# KiCad board vme-wren.kicad_pcb (continued)
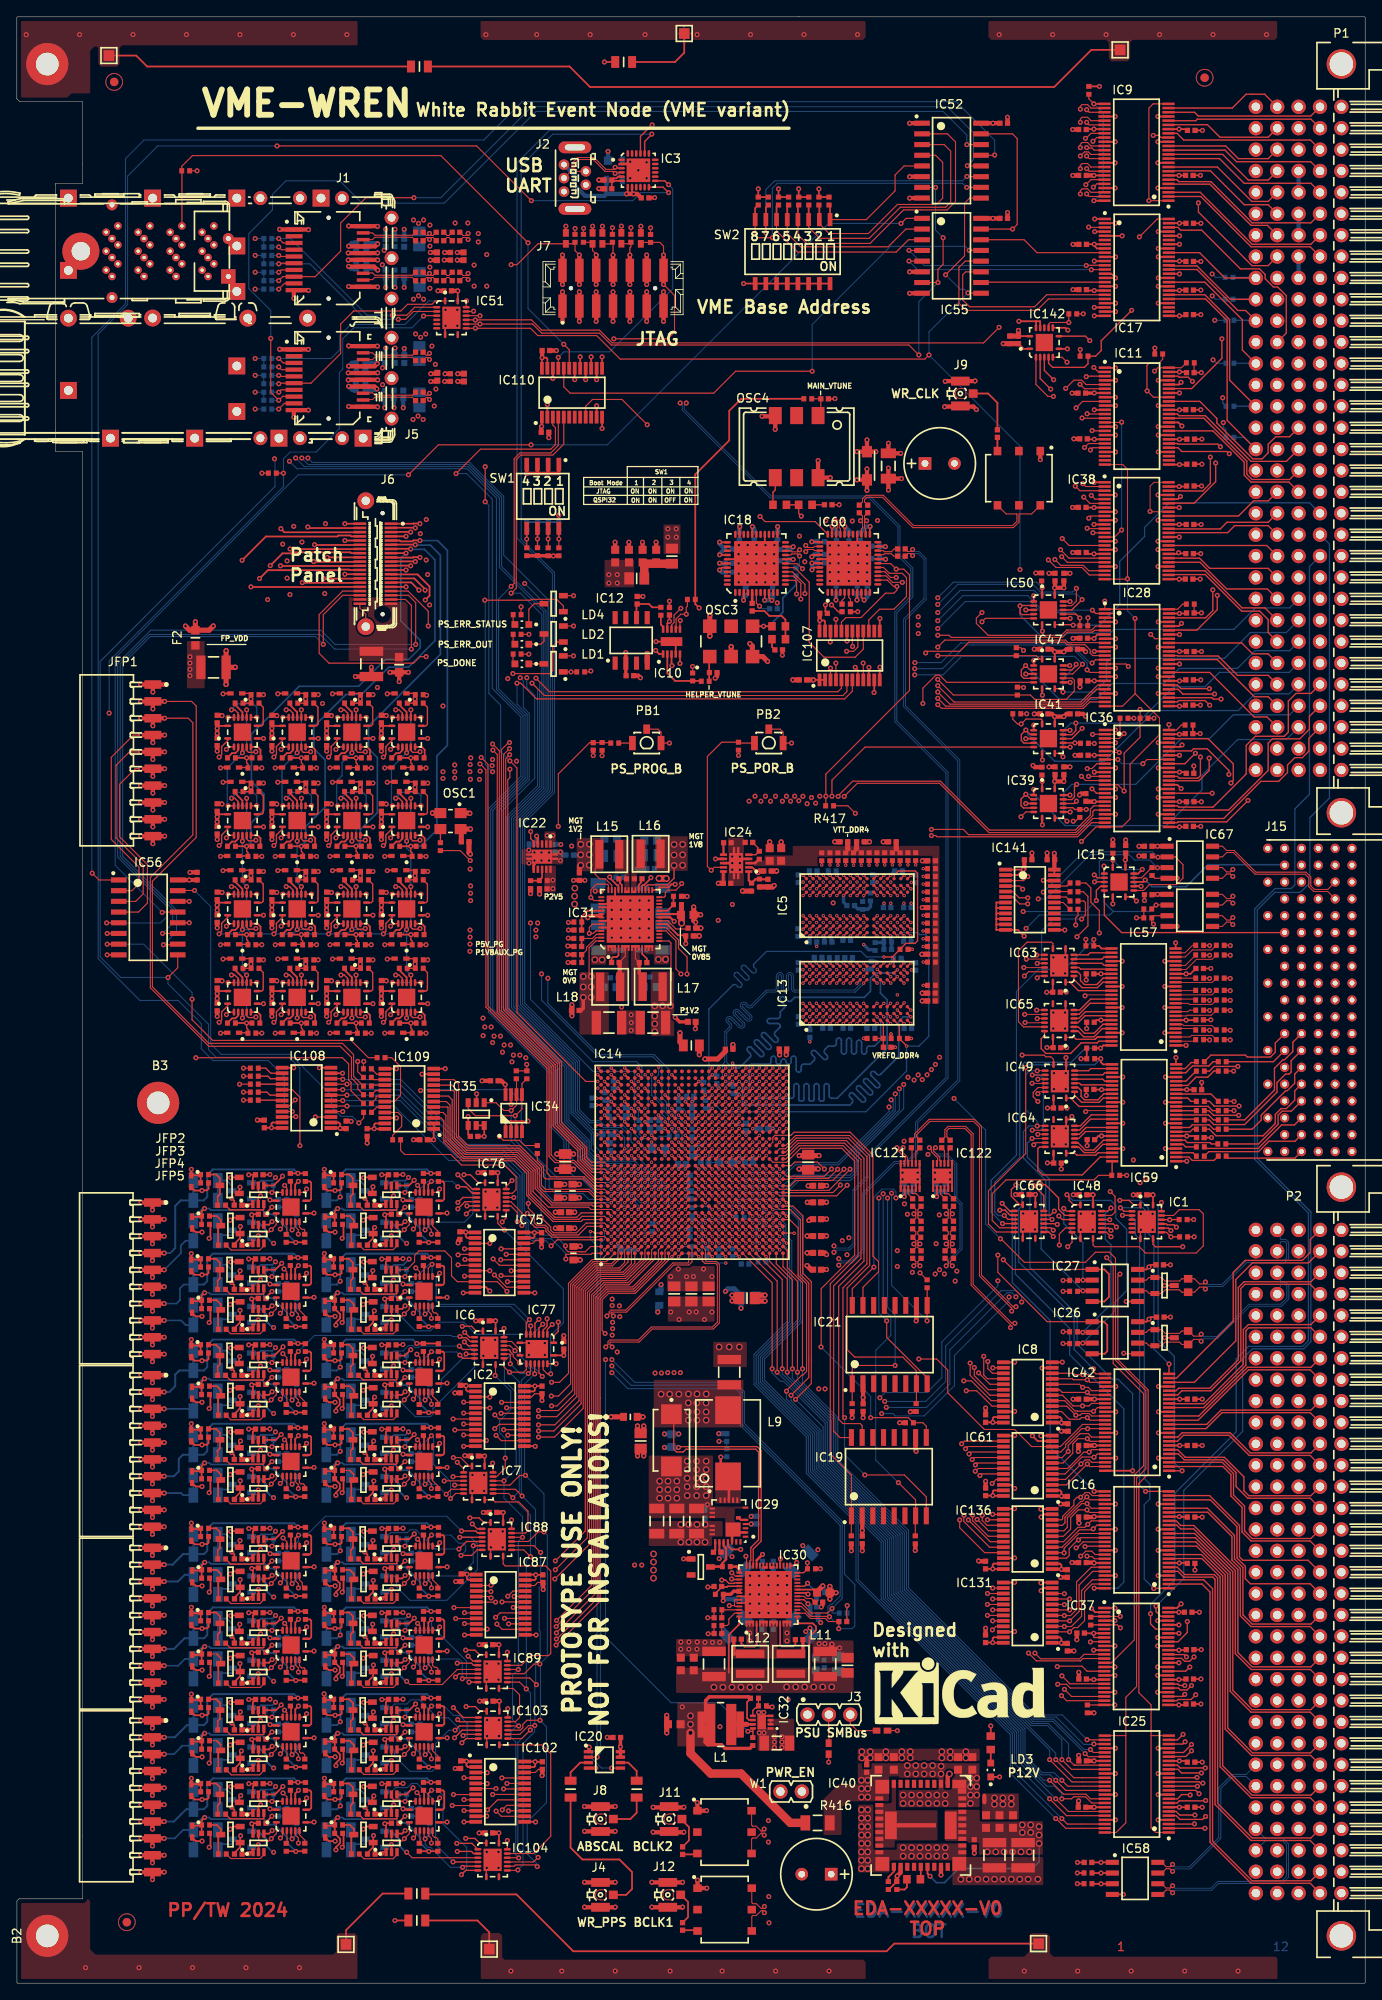
[diagram p0: board, top side]
## Routing (per net, layer and track width the routed paths; a pad name or vN(x,y) marks a point on that pad's centre or on a via; arc(x,y) is an arc through that point) (continued)
/DDR4-PS.DQ28: length 32.7
  Top Layer w0.15: IC14.AG28 90.58,108.66 ; v1(94.98,125.14) IC5.C2
  L5 w0.11: v1(90.59,108.66) 90.6,108.67 90.6,109.3 90.09,109.81 90.09,110.75 90.6,111.26 90.6,111.98 arc(90.54,112.12) 90.39,112.19 90.25,112.19 arc(90.1,112.25) 90.04,112.4 arc(90.1,112.54) 90.25,112.61 91.35,112.61 arc(91.5,112.67) 91.56,112.82 arc(91.5,112.96) 91.35,113.03 90.25,113.03 arc(90.1,113.09) 90.04,113.24 arc(90.1,113.38) 90.25,113.45 91.05,113.45 arc(91.2,113.51) 91.26,113.66 arc(91.2,113.8) 91.05,113.87 90.25,113.87 arc(90.1,113.93) 90.04,114.08 arc(90.1,114.22) 90.25,114.29 91.05,114.29 arc(91.2,114.35) 91.26,114.5 arc(91.2,114.64) 91.05,114.71 90.25,114.71 arc(90.1,114.77) 90.04,114.92 arc(90.1,115.06) 90.25,115.13 91.05,115.13 arc(91.2,115.19) 91.26,115.34 arc(91.2,115.48) 91.05,115.55 90.25,115.55 arc(90.1,115.61) 90.04,115.76 arc(90.1,115.9) 90.25,115.97 91.05,115.97 arc(91.2,116.03) 91.26,116.18 arc(91.2,116.32) 91.05,116.39 90.25,116.39 arc(90.1,116.45) 90.04,116.6 arc(90.1,116.74) 90.25,116.81 90.39,116.81 arc(90.54,116.87) 90.6,117.02 90.6,122.68 92.66,124.74 94.58,124.74 v1(94.98,125.14)
/DDR4-PS.DQ29: length 32.7
  Top Layer w0.15: IC14.AF28 89.78,108.66 ; v1(94.98,129.94) IC5.C8
  L5 w0.11: v1(94.98,129.94) 95.36,129.56 95.36,126.6 95.1,126.34 94.87,126.34 94.62,126.09 94.62,125.73 94.43,125.55 92.36,125.55 92.2,125.38 arc(92.05,125.32) 91.9,125.38 91.77,125.51 arc(91.63,125.57) 91.48,125.51 arc(91.42,125.36) 91.48,125.21 91.99,124.7 arc(92.05,124.55) 91.99,124.4 arc(91.84,124.34) 91.7,124.4 91.18,124.91 arc(91.03,124.98) 90.88,124.91 arc(90.82,124.77) 90.88,124.62 91.4,124.1 arc(91.46,123.95) 91.4,123.8 arc(91.25,123.74) 91.1,123.8 90.74,124.17 arc(90.61,124.22) 90.49,124.17 90.44,124.12 arc(90.39,123.99) 90.44,123.87 arc(90.49,123.75) 90.44,123.62 90.39,123.57 arc(90.24,123.51) 90.09,123.57 89.97,123.7 arc(89.82,123.76) 89.67,123.7 arc(89.61,123.55) 89.67,123.4 89.8,123.28 arc(89.86,123.13) 89.8,122.98 89.79,122.97 89.79,122.03 arc(89.73,121.89) 89.59,121.83 arc(89.45,121.78) 89.39,121.63 89.39,121.61 arc(89.45,121.47) 89.59,121.41 90.13,121.41 arc(90.28,121.35) 90.34,121.2 arc(90.28,121.06) 90.13,120.99 90,120.99 arc(89.85,120.93) 89.79,120.78 v1(89.79,108.66)
/DDR4-PS.DQ30: length 32.7
  Top Layer w0.15: IC14.AH28 91.38,108.66 ; v1(95.78,126.74) IC5.D3
  L5 w0.11: v1(95.78,126.74) 95.78,126.72 95.58,126.53 95.58,126.25 95.41,126.08 95.41,123.96 95.86,123.52 97.85,123.52 98.05,123.31 98.05,122.83 97.9,122.68 92.71,122.68 91.54,121.51 91.54,121.05 arc(91.48,120.9) 91.33,120.84 91.1,120.84 arc(90.95,120.77) 90.89,120.63 arc(90.95,120.48) 91.1,120.42 91.6,120.42 arc(91.65,120.4) 91.67,120.35 91.67,120.06 arc(91.65,120.02) 91.6,120 91.1,120 arc(90.95,119.93) 90.89,119.79 arc(90.95,119.64) 91.1,119.58 91.6,119.58 arc(91.65,119.56) 91.67,119.51 91.67,119.22 arc(91.65,119.18) 91.6,119.16 91.1,119.16 arc(90.95,119.09) 90.89,118.95 arc(90.95,118.8) 91.1,118.74 91.6,118.74 arc(91.65,118.72) 91.67,118.67 91.67,118.38 arc(91.65,118.34) 91.6,118.32 91.1,118.32 arc(90.95,118.25) 90.89,118.11 arc(90.95,117.96) 91.1,117.9 91.33,117.9 arc(91.48,117.83) 91.54,117.69 91.54,113.32 91.98,112.88 91.98,110.04 91.39,109.45 v1(91.39,108.66)
/DDR4-PS.DQ31: length 32.7
  Top Layer w0.15: IC14.AH27 91.38,107.86 ; v1(95.78,129.14) IC5.D7
  L5 w0.11: v1(91.39,107.86) 92.37,108.84 92.37,112.97 91.95,113.39 91.95,115.98 arc(92.01,116.13) 92.16,116.19 92.34,116.19 arc(92.49,116.25) 92.55,116.4 arc(92.49,116.55) 92.34,116.61 92.16,116.61 arc(92.01,116.67) 91.95,116.82 91.95,121.23 92.98,122.26 98.75,122.26 98.82,122.33 98.82,123.77 98.69,123.91 96.36,123.91 96.15,124.12 96.15,127.61 95.78,127.99 v1(95.78,129.14)
/DDR4-PS.DQS_N0: length 26.8
  Top Layer w0.115: v1(97.36,116.34) IC13.F3 ; IC14.AG21 90.58,103.06
  L5 w0.1: v1(97.36,116.34) 97.09,116.34 96.99,116.24 96.99,116.13 97.19,115.94 97.47,115.94 97.78,115.63 97.78,115.32 97.58,115.12 97.13,115.12 96.95,114.94 96.95,113.3 96.69,113.04 96.69,107.37 95.71,106.4 arc(95.66,106.28) 95.71,106.16 96.08,105.78 arc(96.21,105.48) 96.08,105.18 arc(95.78,105.05) 95.48,105.18 94.41,106.24 arc(94.29,106.29) 94.17,106.24 arc(94.12,106.12) 94.17,106 95.24,104.93 arc(95.36,104.63) 95.24,104.33 arc(94.93,104.2) 94.63,104.33 93.56,105.39 arc(93.44,105.44) 93.32,105.39 arc(93.27,105.27) 93.32,105.15 93.59,104.89 arc(93.71,104.58) 93.59,104.28 93.02,103.71 91.99,103.71 91.7,103.42 90.67,103.42 90.6,103.35 90.6,103.07 v1(90.59,103.06)
/DDR4-PS.DQS_N1: length 28.8
  Top Layer w0.115: v1(93.36,118.74) IC13.A7 ; IC14.AG23 90.58,104.66
  L10 w0.1: v1(93.36,118.74) 93.41,118.68 93.41,118.52 93.46,118.47 93.83,118.47 93.94,118.37 93.94,118.24 93.84,118.15 92.89,118.15 92.69,118.35 92.69,118.81 92.54,118.81 92.13,118.4 92.13,118.12 arc(92.01,117.81) 91.7,117.69 91.37,117.69 arc(91.25,117.64) 91.2,117.52 arc(91.25,117.4) 91.37,117.35 91.7,117.35 arc(92.01,117.22) 92.13,116.92 92.13,116.74 91.43,116.04 arc(91.31,115.73) 91,115.61 90.67,115.61 arc(90.55,115.56) 90.5,115.44 arc(90.55,115.31) 90.67,115.27 91.93,115.27 arc(92.24,115.14) 92.36,114.84 arc(92.24,114.53) 91.93,114.41 90.67,114.41 arc(90.55,114.36) 90.5,114.24 arc(90.55,114.11) 90.67,114.07 91.93,114.07 arc(92.24,113.94) 92.36,113.64 arc(92.24,113.33) 91.93,113.21 91.6,113.21 arc(91.48,113.16) 91.43,113.04 91.43,112.14 92.73,110.84 92.73,106.57 92.06,105.9 90.52,105.9 90.19,105.57 90.19,105.06 v1(90.59,104.66)
/DDR4-PS.DQS_N2: length 36.4
  Top Layer w0.115: v1(97.38,126.74) IC5.F3 ; IC14.AF26 89.78,107.06
  L8 w0.1: v1(97.38,126.74) 97.38,127.14 96.85,127.67 92.05,127.67 90.82,126.44 90.82,121.87 arc(90.95,121.57) 91.25,121.45 91.38,121.45 arc(91.49,121.4) 91.54,121.29 91.54,121.26 arc(91.49,121.15) 91.38,121.1 90.19,121.1 arc(89.88,120.97) 89.76,120.67 arc(89.88,120.36) 90.19,120.24 91.38,120.24 arc(91.49,120.19) 91.54,120.08 91.54,120.06 arc(91.49,119.95) 91.38,119.9 91.25,119.9 arc(90.95,119.78) 90.82,119.48 90.82,113.39 93.37,110.84 93.37,108.69 92.64,107.96 92.1,107.96 91.83,108.23 90.44,108.23 90.15,107.95 90.15,107.46 89.79,107.09 v1(89.79,107.06)
/DDR4-PS.DQS_N3: length 32.8
  Top Layer w0.115: IC14.AF27 89.78,107.86 ; v1(93.38,129.14) IC5.A7
  L5 w0.1: v1(93.38,129.14) 93.65,128.87 93.65,128.67 93.45,128.47 89.53,128.47 86.48,125.42 86.48,109.06 86.23,108.81 86.23,107.71 86.5,107.44 86.72,107.44 86.99,107.17 86.99,106.95 87.24,106.7 88.34,106.7 88.63,106.99 88.63,107.21 88.92,107.5 89.14,107.5 89.5,107.86 89.79,107.86 v1(89.79,107.86)
/DDR4-PS.DQS_P0: length 28.6
  Top Layer w0.115: v1(98.16,116.34) IC13.G3 ; IC14.AF21 89.78,103.06
  L5 w0.1: v1(98.16,116.34) 97.79,116.7 96.39,116.7 96.16,116.47 96.16,113.3 96.43,113.04 96.43,107.48 95.53,106.58 arc(95.4,106.28) 95.53,105.97 95.9,105.6 arc(95.95,105.48) 95.9,105.36 arc(95.78,105.31) 95.66,105.36 94.59,106.43 arc(94.29,106.55) 93.98,106.43 arc(93.86,106.12) 93.98,105.82 95.05,104.75 arc(95.1,104.63) 95.05,104.51 arc(94.93,104.46) 94.81,104.51 93.74,105.58 arc(93.44,105.7) 93.14,105.58 arc(93.01,105.27) 93.14,104.97 93.4,104.7 arc(93.45,104.58) 93.4,104.46 92.91,103.97 91.98,103.97 91.69,104.26 90.48,104.26 90.19,103.97 90.19,103.46 v1(89.79,103.06)
/DDR4-PS.DQS_P1: length 28.9
  Top Layer w0.115: IC14.AF23 89.78,104.66 ; v1(94.16,118.74) IC13.B7
  L10 w0.1: v1(94.16,118.74) 93.74,119.16 92.52,119.16 91.87,118.51 91.87,118.12 arc(91.82,118) 91.7,117.95 91.37,117.95 arc(91.07,117.82) 90.94,117.52 arc(91.07,117.21) 91.37,117.09 91.7,117.09 arc(91.82,117.04) 91.87,116.92 91.87,116.84 91.17,116.14 91.17,116.04 arc(91.12,115.91) 91,115.87 90.67,115.87 arc(90.37,115.74) 90.24,115.44 arc(90.37,115.13) 90.67,115.01 91.93,115.01 arc(92.05,114.96) 92.1,114.84 arc(92.05,114.71) 91.93,114.67 90.67,114.67 arc(90.37,114.54) 90.24,114.24 arc(90.37,113.93) 90.67,113.81 91.93,113.81 arc(92.05,113.76) 92.1,113.64 arc(92.05,113.51) 91.93,113.47 91.6,113.47 arc(91.3,113.34) 91.17,113.04 91.17,112.04 92.47,110.74 92.47,106.68 92.25,106.45 92.19,106.45 91.99,106.66 90.48,106.66 90.23,106.41 90.23,106.19 89.9,105.86 89.67,105.86 89.43,105.61 89.43,105.31 89.64,105.1 89.72,105.1 89.79,105.02 v1(89.79,104.66)
/DDR4-PS.DQS_P2: length 37.5
  Top Layer w0.115: IC14.AF25 89.78,106.26 ; v1(98.18,126.74) IC5.G3
  L8 w0.1: v1(98.18,126.74) 98.18,126.71 97.78,126.31 97.29,126.31 97.02,126.59 97.02,127.13 96.73,127.41 92.16,127.41 91.08,126.34 91.08,121.87 arc(91.13,121.75) 91.25,121.71 91.38,121.71 arc(91.67,121.58) 91.8,121.29 91.8,121.26 arc(91.67,120.96) 91.38,120.84 90.19,120.84 arc(90.06,120.79) 90.02,120.67 arc(90.06,120.55) 90.19,120.5 91.38,120.5 arc(91.67,120.38) 91.8,120.08 91.8,120.06 arc(91.67,119.76) 91.38,119.64 91.25,119.64 arc(91.13,119.59) 91.08,119.48 91.08,113.49 93.63,110.94 93.63,108.59 92.75,107.7 92.1,107.7 91.83,107.42 90.44,107.42 90.23,107.21 90.23,106.7 v1(89.79,106.26)
/DDR4-PS.DQS_P3: length 30.2
  Top Layer w0.115: IC14.AE27 88.98,107.86 ; v1(94.18,129.14) IC5.B7
  L5 w0.1: v1(94.18,129.14) 93.91,128.87 93.91,128.56 93.56,128.21 89.64,128.21 86.75,125.33 86.75,109.01 86.95,108.81 86.95,107.79 87.24,107.5 88.34,107.5 88.7,107.86 88.99,107.86 v1(88.99,107.86)
/DDR4-PS.ODT: length 48.2
  Top Layer w0.15: v1(100.56,116.34) IC13.K3 ; v1(100.58,126.74) IC5.K3 ; IC14.U28 82.58,108.66
  Top Layer w0.16: v1(95.59,132.75) R107.1
  L3 w0.11: v1(100.58,126.74) 100.18,126.34 100.18,116.72 v1(100.56,116.34) 100.18,115.95 92.54,115.95 91.9,116.59 83.95,116.59 82.59,115.23 v1(82.59,108.66)
  L10 w0.11: v1(95.59,132.75) 96.33,132.01 99.16,132.01 99.39,131.79 99.39,127.93 v1(100.58,126.74)
/DDR4-PS.PAR: length 51.9
  Top Layer w0.15: IC14.V24 83.38,105.46 ; IC13.T3 v1(106.16,115.54) ; IC5.T3 v1(106.18,125.94)
  Top Layer w0.16: v1(107.64,118.47) R105.1
  L3 w0.11: v1(106.18,125.94) 105.78,125.54 105.78,122.12 106.71,121.19 106.71,116.85 106.16,116.3 v1(106.16,115.54) 106.74,114.96 106.74,110.78 98.63,102.66 83.28,102.66 82.97,102.97 82.97,105.04 v1(83.39,105.46)
  L10 w0.125: v1(107.64,118.47) 106.16,117 v1(106.16,115.54)
/DDR4-PS.RASN: length 67.5
  Top Layer w0.15: IC14.AC23 87.38,104.66 ; IC13.L8 v1(102.16,119.54) ; IC5.L8 v1(102.18,129.94)
  Top Layer w0.16: v1(97.51,132.73) 97.51,133.24
  L3 w0.11: v1(97.51,132.73) 97.51,132.7 97.77,132.44 97.77,128.69 98.06,128.4 102.27,128.4 102.58,128.71 102.58,129.54 v1(102.18,129.94)
  L10 w0.11: v1(102.16,119.54) 101.78,119.92 101.78,122.73 arc(101.79,122.77) 101.83,122.79 arc(101.87,122.8) 101.89,122.84 101.89,123.22 arc(101.87,123.26) 101.83,123.28 101.3,123.28 arc(101.15,123.34) 101.09,123.49 arc(101.15,123.64) 101.3,123.7 101.83,123.7 arc(101.87,123.71) 101.89,123.75 101.89,124.06 arc(101.87,124.1) 101.83,124.12 101.48,124.12 arc(101.33,124.18) 101.27,124.33 arc(101.33,124.48) 101.48,124.54 101.57,124.54 arc(101.72,124.6) 101.78,124.75 101.78,129.54 v1(102.18,129.94)
  Bottom Layer w0.2: v1(87.39,104.66) 87.39,104.67 87.79,105.06 91.97,105.06 arc(92.19,105.15) 92.27,105.36 92.27,106.5 arc(92.36,106.72) 92.57,106.8 arc(92.79,106.72) 92.87,106.5 92.87,104.91 arc(92.92,104.81) 93.02,104.76 93.32,104.76 arc(93.43,104.81) 93.47,104.91 93.47,106.5 arc(93.56,106.72) 93.77,106.8 arc(93.99,106.72) 94.07,106.5 94.07,104.91 arc(94.12,104.81) 94.22,104.76 94.52,104.76 arc(94.63,104.81) 94.67,104.91 94.67,106.5 arc(94.76,106.72) 94.97,106.8 arc(95.19,106.72) 95.27,106.5 95.27,104.91 arc(95.32,104.81) 95.42,104.76 95.72,104.76 arc(95.83,104.81) 95.87,104.91 95.87,106.5 arc(95.96,106.72) 96.17,106.8 arc(96.39,106.72) 96.47,106.5 96.47,105.36 arc(96.56,105.15) 96.77,105.06 97.41,105.06 103.36,111.01 103.36,116.76 102.56,117.56 102.56,119.14 v1(102.16,119.54)
/DDR4-PS.RSTN: length 52.3
  Top Layer w0.15: IC14.U23 82.58,104.66 ; R115.2 104.82,112.14 105.66,111.3 v1(105.66,111.26) ; IC5.P1 v1(104.58,124.34)
  Top Layer w0.16: R115.2 104.82,113.68 IC13.P1
  Bottom Layer w0.15: v1(104.58,124.34) 104.58,124.34 104.97,124.74 106.97,124.74 107.21,124.5 107.94,124.5 108.3,124.13 108.3,112.42 107.14,111.26 v1(105.66,111.26) 105.66,111.25 105.66,108.29 100.83,103.46 83.79,103.46 v1(82.59,104.66)
/DDR4-PS.WEN: length 67.2
  Top Layer w0.15: IC5.L2 v1(102.18,125.14) ; IC13.L2 v1(102.16,114.74) ; IC14.AB24 86.58,105.46
  Top Layer w0.16: v1(107.64,131.41) R84.1
  L5 w0.11: v1(107.64,131.41) 107.33,131.1 106.1,131.1 105.77,130.76 105.77,128.09 105.48,127.81 103.5,127.81 102.59,126.9 102.59,125.55 v1(102.18,125.14) 101.78,124.74 101.78,119.31 101.3,118.84 101.3,118.57 arc(101.24,118.42) 101.09,118.36 100.63,118.36 arc(100.48,118.3) 100.42,118.15 arc(100.48,118) 100.63,117.94 101.36,117.94 arc(101.4,117.93) 101.41,117.89 101.41,117.58 arc(101.4,117.54) 101.36,117.52 100.88,117.52 arc(100.73,117.46) 100.67,117.31 arc(100.73,117.16) 100.88,117.1 101.09,117.1 arc(101.24,117.04) 101.3,116.89 101.3,115.59 102.16,114.74 v1(102.16,114.74)
  Bottom Layer w0.2: v1(86.59,105.46) 86.99,105.86 86.99,108.87 87.23,109.11 89.25,109.11 arc(89.47,109.2) 89.55,109.41 89.55,109.77 arc(89.64,109.98) 89.85,110.07 arc(90.07,109.98) 90.15,109.77 90.15,109.41 arc(90.24,109.2) 90.45,109.11 arc(90.67,109.2) 90.75,109.41 90.75,109.42 arc(90.84,109.63) 91.05,109.72 arc(91.27,109.63) 91.35,109.42 91.35,109.41 arc(91.44,109.2) 91.65,109.11 arc(91.87,109.2) 91.95,109.41 91.95,109.77 arc(92.04,109.98) 92.25,110.07 arc(92.47,109.98) 92.55,109.77 92.55,108.45 arc(92.64,108.24) 92.85,108.15 arc(93.07,108.24) 93.15,108.45 93.15,108.81 arc(93.24,109.02) 93.45,109.11 94.23,109.11 94.69,109.57 arc(94.77,109.78) 94.69,110 94.43,110.25 arc(94.35,110.46) 94.43,110.67 arc(94.65,110.76) 94.86,110.67 95.79,109.74 arc(96,109.65) 96.21,109.74 arc(96.3,109.95) 96.21,110.17 95.96,110.42 arc(95.87,110.63) 95.96,110.84 96.37,111.26 97.02,111.26 arc(97.24,111.35) 97.32,111.56 97.32,111.92 arc(97.41,112.13) 97.62,112.22 arc(97.84,112.13) 97.92,111.92 97.92,110.6 arc(98.01,110.39) 98.22,110.3 arc(98.44,110.39) 98.52,110.6 98.52,111.92 arc(98.61,112.13) 98.82,112.22 arc(99.04,112.13) 99.12,111.92 99.12,110.6 arc(99.21,110.39) 99.42,110.3 arc(99.64,110.39) 99.72,110.6 99.72,111.67 arc(99.81,111.88) 100.02,111.97 arc(100.24,111.88) 100.32,111.67 100.32,110.6 arc(100.41,110.39) 100.62,110.3 arc(100.84,110.39) 100.92,110.6 100.92,110.96 arc(101.01,111.17) 101.22,111.26 101.86,111.26 102.59,111.99 102.59,114.3 v1(102.16,114.74)
/ddr4-ps/DDR4-PS_VREF0: length 4.3
  Top Layer w0.15: C224.2 102.91,112.17 ; 102.91,112.17 102.91,113.99 IC13.M1 ; 102.91,112.17 R194.1 R44.2
/ddr4-ps/DDR4-PS_VREF1: length 3.2
  Top Layer w0.15: IC5.M1 v1(102.98,124.34)
  Bottom Layer w0.4: 102.89,123.55 R195.1 102.96,124.31 v1(102.98,124.34) ; 102.89,123.55 102.92,123.55 102.97,123.51 102.97,122.76 C225.2 ; 102.89,123.55 R119.2
/ddr4-ps/DDR4-PS_ZQ0: length 1.2
  Top Layer w0.15: v1(97.36,121.14) IC13.F9
  Bottom Layer w0.4: v1(97.36,121.14) 97.36,121.68 R23.2
/ddr4-ps/DDR4-PS_ZQ1: length 1.1
  Top Layer w0.15: v1(97.38,131.54) IC5.F9
  Bottom Layer w0.4: R34.2 97.38,131.99 v1(97.38,131.54)
/fp_connectors/FP_VDD: length 3.7
  Top Layer w0.5: JFP1.8 v2(16.15,139.29) ; JFP1.8 v2(17.55,140.19) ; JFP1.8 14.8,140.19
  vias: v2(14.71,140.19) v2(20.55,157.49) v2(20.55,156.74) v2(20.55,155.99) v2(20.55,155.24)
/FP_ID0: length 27.4
  Top Layer w0.125: IC56.2 13.68,129.71 14.5,130.54 14.5,132.51 11.21,135.8 11.21,145.55 13.85,148.19 v2(14.71,148.19)
  Top Layer w0.5: JFP1.4 v2(17.55,148.19) ; JFP1.4 14.8,148.19 ; JFP1.4 v2(16.15,147.29)
/FP_ID1: length 27.1
  Top Layer w0.125: IC56.3 14.11,128.44 15,129.34 15,132.75 11.77,135.98 11.77,144.6 13.36,146.19 v2(14.71,146.19)
  Top Layer w0.5: JFP1.5 14.8,146.19 ; JFP1.5 v2(16.15,145.29) ; JFP1.5 v2(17.55,146.19)
/FP_ID2: length 26.2
  Top Layer w0.125: v2(14.71,144.19) 14.05,144.19 12.2,142.34 12.2,136.12 15.5,132.82 15.5,128.24 14.44,127.17 IC56.4
  Top Layer w0.5: JFP1.6 v2(17.55,144.19) ; JFP1.6 v2(16.15,143.29) ; JFP1.6 14.8,144.19
/FP_IO0: length 49.2
  Top Layer w0.2: R33.2 50.05,96.15 R32.2 ; R35.2 R42.1 37.54,95.92 D3.1 36.51,96.62 v2(36.52,96.62)
  Top Layer w0.5: JFP2.2 v2(17.5,90.69) ; JFP2.2 v2(16.1,89.79) ; JFP2.2 v2(14.75,90.69)
  L5 w0.2: v2(17.5,90.69) 23.5,96.69 36.45,96.69 v2(36.52,96.62)
  Bottom Layer w0.2: v2(36.52,96.62) 36.52,95.84 36.76,95.6 R476.2
  Bottom Layer w0.23: R476.2 R477.2 38.01,92.95 v2(38.41,93.34) 38.41,95.95 39.08,96.61 48.71,96.61 v2(49.18,96.15)
/FP_IO1: length 50.4
  Top Layer w0.2: D9.1 37.65,91 R43.1 ; R28.2 49.98,87.96 R29.2 ; v2(38.09,91.97) 37.74,91.62 R43.1 ; R43.1 37.74,90.09 R36.2
  Top Layer w0.5: JFP2.3 v2(17.5,88.69) ; JFP2.3 v2(14.75,88.69) ; JFP2.3 v2(16.1,87.79)
  L5 w0.2: v2(38.09,91.97) 33.82,91.97 31.8,93.99 31.09,93.99 30.65,94.43 27.71,94.43 23.92,90.64 19.45,90.64 v2(17.5,88.69)
  Bottom Layer w0.2: v2(48.92,87.94) 47.92,88.94 47.92,89.6 46.05,91.47 45.38,91.47 45.07,91.78 38.84,91.78 38.65,91.97 v2(38.09,91.97) 37.87,91.97 36.76,90.86 R454.2 R41.2
/FP_IO2: length 36.7
  Top Layer w0.2: R131.2 R136.1 21.74,95.92 D13.1 20.71,96.62 v2(20.72,96.62) ; R130.2 34.25,96.15 R129.2
  Top Layer w0.5: JFP2.4 v2(17.5,86.69) ; JFP2.4 v2(14.75,86.69) ; JFP2.4 v2(16.1,85.79)
  Bottom Layer w0.2: R478.2 20.96,95.6 20.72,95.84 v2(20.72,96.62)
  Bottom Layer w0.23: v2(17.5,86.69) 18.21,86.69 18.8,87.28 18.8,92.27 19.48,92.95 R479.2 ; R479.2 22.21,92.95 22.61,93.34 22.61,95.95 23.28,96.61 32.91,96.61 v2(33.38,96.15) ; R479.2 R478.2
/FP_IO3: length 31.9
  Top Layer w0.2: R137.1 21.94,91.62 v2(22.29,91.97) ; R137.1 21.94,90.09 R132.2 ; R137.1 21.85,91 D14.1 ; R50.2 34.18,87.96 R123.2
  Top Layer w0.5: JFP2.5 v2(16.1,83.79) ; JFP2.5 v2(14.75,84.69) ; JFP2.5 v2(17.5,84.69)
  Bottom Layer w0.2: v2(33.12,87.94) 32.12,88.94 32.12,89.6 30.44,91.28 29.68,91.28 29.17,91.78 23.04,91.78 22.85,91.97 v2(22.29,91.97) 22.07,91.97 20.96,90.86 R457.2 R135.2 20.04,88.15 19.48,87.59 19.48,86.67 v2(17.5,84.69)
/FP_IO4: length 33.3
  Top Layer w0.2: v2(20.72,86.62) 20.71,86.62 D17.1 21.74,85.92 R150.1 R146.2 ; R145.2 34.25,86.15 R144.2
  Top Layer w0.5: JFP2.7 v2(17.5,80.69) ; JFP2.7 v2(14.75,80.69) ; JFP2.7 v2(16.1,79.79)
  Bottom Layer w0.2: v2(17.5,80.69) 18.95,80.69 19.37,81.1 19.37,82.49 19.82,82.95 R480.2 20.71,82.69 ; v2(20.72,86.62) 20.72,85.84 20.96,85.6 R481.2
  Bottom Layer w0.23: R481.2 R480.2 22.21,82.95 22.61,83.34 22.61,85.95 23.28,86.61 32.91,86.61 v2(33.38,86.15)
/FP_IO5: length 30.4
  Top Layer w0.2: v2(22.29,81.97) 21.94,81.62 R151.1 ; R151.1 21.85,81 D18.1 ; R151.1 21.94,80.09 R147.2 ; R143.2 34.18,77.96 R142.2
  Top Layer w0.5: JFP2.8 v2(14.75,78.69) ; JFP2.8 v2(17.5,78.69) ; JFP2.8 v2(16.1,77.79)
  Bottom Layer w0.2: R149.2 20.96,80.86 22.07,81.97 v2(22.29,81.97) 22.85,81.97 23.04,81.78 29.23,81.78 29.66,81.35 30.37,81.35 32.12,79.6 32.12,78.94 v2(33.12,77.94) ; R149.2 20.77,80.69 ; R149.2 R459.2 20.05,78.15 19.5,78.69 v2(17.5,78.69)
/FP_IO6: length 51.4
  Top Layer w0.2: R158.2 50.05,86.15 R159.2 ; v2(36.52,86.62) 36.51,86.62 D21.1 37.54,85.92 R173.1 R166.2
  Top Layer w0.5: JFP2.9 v2(14.75,76.69) ; JFP2.9 v2(17.5,76.69) ; JFP2.9 v2(16.1,75.79)
  L5 w0.2: v2(17.5,76.69) 19.5,76.69 20.25,77.44 26.5,77.44 32.41,83.34 v2(38.41,83.34)
  Bottom Layer w0.2: v2(36.52,86.62) 36.52,85.84 36.76,85.6 R482.2
  Bottom Layer w0.23: v2(49.18,86.15) 48.71,86.61 39.08,86.61 38.41,85.95 v2(38.41,83.34) 38.01,82.95 R483.2 R482.2
/FP_IO7: length 50.7
  Top Layer w0.2: v2(37.89,78.13) 37.89,78.44 38.39,78.95 38.39,79.43 R167.2 37.74,80.09 R174.1 ; v2(38.09,81.97) 37.74,81.62 R174.1 ; D22.1 37.65,81 R174.1 ; R156.2 49.98,77.96 R157.2
  Top Layer w0.5: JFP2.10 v2(17.5,74.69) ; JFP2.10 v2(14.75,74.69) ; JFP2.10 v2(16.1,73.79)
  L5 w0.2: v2(17.5,74.69) 19.5,74.69 19.85,75.03 28,75.03 30,77.04 36.79,77.04 v2(37.89,78.13)
  Bottom Layer w0.2: v2(48.92,77.94) 47.92,78.94 47.92,79.6 46.25,81.27 45.24,81.27 44.72,81.78 38.84,81.78 38.65,81.97 v2(38.09,81.97) 37.87,81.97 36.76,80.86 R461.2 R172.2
/FP_IO8: length 33
  Top Layer w0.2: v2(20.72,76.42) 20.71,76.42 D33.1 21.74,75.72 R283.1 R279.2 ; R278.2 34.25,75.95 R277.2
  Top Layer w0.5: JFP3.2 v2(14.75,70.19) ; JFP3.2 v2(17.5,70.19) ; JFP3.2 v2(16.1,69.29)
  Bottom Layer w0.2: R486.2 20.96,75.4 20.72,75.64 v2(20.72,76.42)
  Bottom Layer w0.23: R487.2 R486.2 ; R487.2 22.21,72.75 22.61,73.14 22.61,75.75 23.28,76.41 32.91,76.41 v2(33.38,75.95) ; R487.2 19.3,72.75 18.8,72.25 18.8,70.89 18.1,70.19 v2(17.5,70.19)
/FP_IO9: length 29.4
  Top Layer w0.2: R276.2 34.18,67.76 R275.2 ; R280.2 21.94,69.89 R284.1 ; R284.1 21.94,71.42 v2(22.29,71.77) ; R284.1 21.85,70.8 D34.1
  Top Layer w0.5: JFP3.3 v2(17.5,68.19) ; JFP3.3 v2(16.1,67.29) ; JFP3.3 v2(14.75,68.19)
  Bottom Layer w0.2: 20.86,68.19 v2(17.5,68.19) ; R282.2 R465.2 ; 20.96,70.66 22.07,71.77 v2(22.29,71.77) 22.85,71.77 23.04,71.58 29.11,71.58 29.58,71.12 30.4,71.12 32.12,69.4 32.12,68.74 v2(33.12,67.74)
/FP_IO10: length 50.6
  Top Layer w0.2: R293.2 R297.1 37.54,75.72 D37.1 36.51,76.42 v2(36.52,76.42) ; R291.2 50.05,75.95 R292.2
  Top Layer w0.23: R292.2 v2(47.5,75.95)
  Top Layer w0.5: JFP3.4 v2(17.5,66.19) ; JFP3.4 v2(16.1,65.29) ; JFP3.4 v2(14.75,66.19)
  L5 w0.2: v2(17.5,66.19) 19.5,66.19 20.89,67.58 26.04,67.58 27.5,69.04 28.34,69.04 32.45,73.14 v2(38.41,73.14)
  Bottom Layer w0.2: v2(36.52,76.42) 36.52,75.64 36.76,75.4 R489.2
  Bottom Layer w0.23: v2(47.5,75.95) 47.04,76.41 39.08,76.41 38.41,75.75 v2(38.41,73.14) 38.01,72.75 R488.2 R489.2
/FP_IO11: length 50.8
  Top Layer w0.2: R289.2 49.98,67.76 R290.2 ; R298.1 37.65,70.8 D38.1 ; R298.1 37.74,69.89 R294.2 38.34,69.28 38.34,68.7 37.89,68.24 v2(37.89,67.93) ; R298.1 37.74,71.42 v2(38.09,71.77)
  Top Layer w0.5: JFP3.5 v2(17.5,64.19) ; JFP3.5 v2(14.75,64.19) ; JFP3.5 v2(16.1,63.29)
  L5 w0.2: v2(17.5,64.19) 19.5,64.19 20.45,65.14 24,65.14 25.51,66.65 27.93,66.65 28.25,66.97 36.93,66.97 v2(37.89,67.93)
  Bottom Layer w0.2: v2(48.92,67.74) 47.92,68.74 47.92,69.4 46.31,71.01 45.39,71.01 44.82,71.58 38.84,71.58 38.65,71.77 v2(38.09,71.77) 37.87,71.77 36.76,70.66 R466.2 R296.2
/FP_IO12: length 33.1
  Top Layer w0.2: v2(20.72,66.42) 20.71,66.42 D41.1 21.74,65.72 R311.1 R307.2 ; R305.2 34.25,65.95 R306.2
  Top Layer w0.5: JFP3.7 v2(17.5,60.19) ; JFP3.7 v2(16.1,59.29) ; JFP3.7 v2(14.75,60.19)
  Bottom Layer w0.2: v2(20.72,66.42) 20.72,65.64 20.96,65.4 R491.2
  Bottom Layer w0.23: v2(17.5,60.19) 18.65,60.19 19.23,60.77 19.23,62.26 19.72,62.75 R490.2 ; R490.2 22.21,62.75 22.61,63.14 22.61,65.75 23.28,66.41 32.91,66.41 v2(33.38,65.95) ; R490.2 R491.2
/FP_IO13: length 30.1
  Top Layer w0.2: R312.1 21.85,60.8 D42.1 ; R312.1 21.94,61.42 v2(22.29,61.77) ; R312.1 21.94,59.89 R308.2 ; R304.2 34.18,57.76 R303.2
  Top Layer w0.5: JFP3.8 v2(17.5,58.19) ; JFP3.8 v2(14.75,58.19) ; JFP3.8 v2(16.1,57.29)
  Bottom Layer w0.2: v2(17.5,58.19) 19.5,58.19 19.75,57.95 R310.2 R467.2 20.96,60.66 22.07,61.77 v2(22.29,61.77) 22.85,61.77 23.04,61.58 29.14,61.58 29.63,61.1 30.42,61.1 32.12,59.4 32.12,58.74 v2(33.12,57.74)
  Bottom Layer w0.23: 20.86,60.19 R467.2
/FP_IO14: length 51.5
  Top Layer w0.2: R182.2 50.05,65.95 R183.2 ; v2(36.52,66.42) 36.51,66.42 D25.1 37.54,65.72 R269.1 R184.2
  Top Layer w0.5: JFP3.9 v2(17.5,56.19) ; JFP3.9 v2(14.75,56.19) ; JFP3.9 v2(16.1,55.29)
  L5 w0.2: v2(17.5,56.19) 24.35,56.19 29.18,61.01 30.39,61.01 32.52,63.14 v2(38.41,63.14)
  Bottom Layer w0.2: R484.2 36.76,65.4 36.52,65.64 v2(36.52,66.42)
  Bottom Layer w0.23: v2(49.18,65.95) 48.71,66.41 39.08,66.41 38.41,65.75 v2(38.41,63.14) 38.01,62.75 R485.2 R484.2
/FP_IO15: length 50.8
  Top Layer w0.2: R179.2 49.98,57.76 R180.2 ; R270.1 37.74,61.42 v2(38.09,61.77) ; R270.1 37.74,59.89 R185.2 38.36,59.26 38.36,58.72 37.89,58.24 v2(37.89,57.93) ; R270.1 37.65,60.8 D26.1
  Top Layer w0.5: JFP3.10 v2(16.1,53.29) ; JFP3.10 v2(17.5,54.19) ; JFP3.10 v2(14.75,54.19)
  L5 w0.2: v2(17.5,54.19) 19.5,54.19 20.65,55.34 35.29,55.34 v2(37.89,57.93)
  Bottom Layer w0.2: R268.2 R464.2 36.76,60.66 37.87,61.77 v2(38.09,61.77) 38.65,61.77 38.84,61.58 44.87,61.58 45.55,60.91 46.41,60.91 47.92,59.4 47.92,58.74 v2(48.92,57.74)
/FP_IO16: length 32.4
  Top Layer w0.2: R347.2 34.26,54.14 R348.2 ; v2(20.73,54.62) 20.72,54.61 D51.1 21.75,53.92 R353.1 R349.2
  Top Layer w0.5: JFP4.2 v2(16.1,48.79) ; JFP4.2 v2(17.5,49.69) ; JFP4.2 v2(14.75,49.69)
  Bottom Layer w0.2: v2(20.73,54.62) 20.73,53.84 20.97,53.6 R496.2
  Bottom Layer w0.23: v2(33.39,54.14) 32.92,54.61 23.28,54.61 22.62,53.94 22.62,51.34 22.22,50.94 R497.2 ; R497.2 19.75,50.94 18.49,49.69 v2(17.5,49.69) ; R497.2 20.97,51.69 ; R497.2 R496.2
/FP_IO17: length 30.2
  Top Layer w0.2: R345.2 34.19,45.96 R346.2 ; R354.1 21.86,48.99 D52.1 ; R354.1 21.95,48.09 R350.2 ; R354.1 21.95,49.61 v2(22.3,49.97)
  Top Layer w0.5: JFP4.3 v2(16.1,46.79) ; JFP4.3 v2(17.5,47.69) ; JFP4.3 v2(14.75,47.69)
  Bottom Layer w0.2: R470.2 R352.2 20.97,48.85 22.08,49.97 v2(22.3,49.97) 22.86,49.97 23.05,49.78 29.46,49.78 30,49.24 30.48,49.24 32.13,47.59 32.13,46.94 v2(33.13,45.94)
  Bottom Layer w0.23: R352.2 19.95,48.49 19.15,47.69 v2(17.5,47.69)
/FP_IO18: length 52.1
  Top Layer w0.2: v2(36.53,54.62) 36.52,54.61 D45.1 37.55,53.92 R325.1 R321.2 ; R319.2 50.06,54.14 R320.2
  Top Layer w0.5: JFP4.4 v2(16.1,44.79) ; JFP4.4 v2(14.75,45.69) ; JFP4.4 v2(17.5,45.69)
  L5 w0.2: v2(38.42,51.34) 36.41,51.34 34.57,49.51 29.62,49.51 28.24,50.89 26.85,50.89 25.05,49.08 22.9,49.08 19.5,45.69 v2(17.5,45.69)
  Bottom Layer w0.2: R492.2 36.77,53.6 36.53,53.84 v2(36.53,54.62)
  Bottom Layer w0.23: R492.2 R493.2 38.02,50.94 v2(38.42,51.34) 38.42,53.94 39.08,54.61 48.72,54.61 v2(49.19,54.14)
/FP_IO19: length 50.2
  Top Layer w0.2: D46.1 37.66,48.99 R326.1 ; R326.1 37.75,49.61 v2(38.1,49.97) ; R326.1 37.75,48.09 R322.2 38.35,47.48 38.35,46.9 37.9,46.44 v2(37.9,46.13) ; R317.2 49.99,45.96 R318.2
  Top Layer w0.5: JFP4.5 v2(14.75,43.69) ; JFP4.5 v2(17.5,43.69) ; JFP4.5 v2(16.1,42.79)
  L5 w0.2: v2(17.5,43.69) 22.62,43.69 24,45.07 35.62,45.07 36.69,46.13 v2(37.9,46.13)
  Bottom Layer w0.2: R324.2 R468.2 36.77,48.85 37.88,49.97 v2(38.1,49.97) 38.66,49.97 38.85,49.78 45.12,49.78 45.51,49.39 46.13,49.39 47.93,47.59 47.93,46.94 v2(48.93,45.94)
/FP_IO20: length 31.7
  Top Layer w0.2: R335.2 R339.1 21.75,43.92 D48.1 20.72,44.61 v2(20.73,44.62) ; R333.2 34.26,44.14 R334.2
  Top Layer w0.5: JFP4.7 v2(17.5,39.69) ; JFP4.7 v2(16.1,38.79) ; JFP4.7 v2(14.75,39.69)
  Bottom Layer w0.2: v2(20.73,44.62) 20.73,43.84 20.97,43.6 R495.2
  Bottom Layer w0.23: R494.2 19.91,40.94 18.65,39.69 v2(17.5,39.69) ; R494.2 R495.2 ; R494.2 22.22,40.94 22.62,41.34 22.62,43.94 23.28,44.61 32.92,44.61 v2(33.39,44.14)
/FP_IO21: length 30.2
  Top Layer w0.2: D49.1 21.86,38.99 R340.1 ; R340.1 21.95,39.61 v2(22.3,39.97) ; R340.1 21.95,38.09 R336.2 ; R331.2 34.19,35.96 R332.2
  Top Layer w0.5: JFP4.8 v2(16.1,36.79) ; JFP4.8 v2(14.75,37.69) ; JFP4.8 v2(17.5,37.69)
  Bottom Layer w0.2: R338.2 19.96,38.49 19.15,37.69 v2(17.5,37.69) ; R338.2 20.97,38.85 22.08,39.97 v2(22.3,39.97) 22.86,39.97 23.05,39.78 28.95,39.78 29.54,39.19 30.53,39.19 32.13,37.59 32.13,36.94 v2(33.13,35.94) ; R338.2 R469.2
/FP_IO22: length 51
  Top Layer w0.2: v2(36.53,44.62) 36.52,44.61 D55.1 37.55,43.92 R367.1 R363.2 ; R361.2 50.06,44.14 R362.2
  Top Layer w0.5: JFP4.9 v2(14.75,35.69) ; JFP4.9 v2(17.5,35.69) ; JFP4.9 v2(16.1,34.79)
  L5 w0.2: v2(38.42,41.34) 36.2,41.34 33.94,39.09 29.8,39.09 26.4,35.69 v2(17.5,35.69)
  Bottom Layer w0.2: R499.2 36.77,43.6 36.53,43.84 v2(36.53,44.62)
  Bottom Layer w0.23: v2(49.19,44.14) 48.72,44.61 39.08,44.61 38.42,43.94 v2(38.42,41.34) 38.02,40.94 R498.2 R499.2
